# Altium PCB ALCT_MEZ_SPARTAN6T.PcbDoc (part 4 of 12)
Units mil, origin at the board's own origin, x right, y up, seen from the top; angles counter-clockwise.
Board outline 4100 x 5351.19 mil, 12 copper layers (Top Layer, Mid-Layer 1, +3V3, Mid-Layer 2, +1V2, Mid-Layer 4, +1V8, Mid-Layer 5, GND1, Mid-Layer 7, GND2, Bottom Layer), stack 64.7 mil thick; 320 components, 598 nets, 2316 pads, 1572 vias.
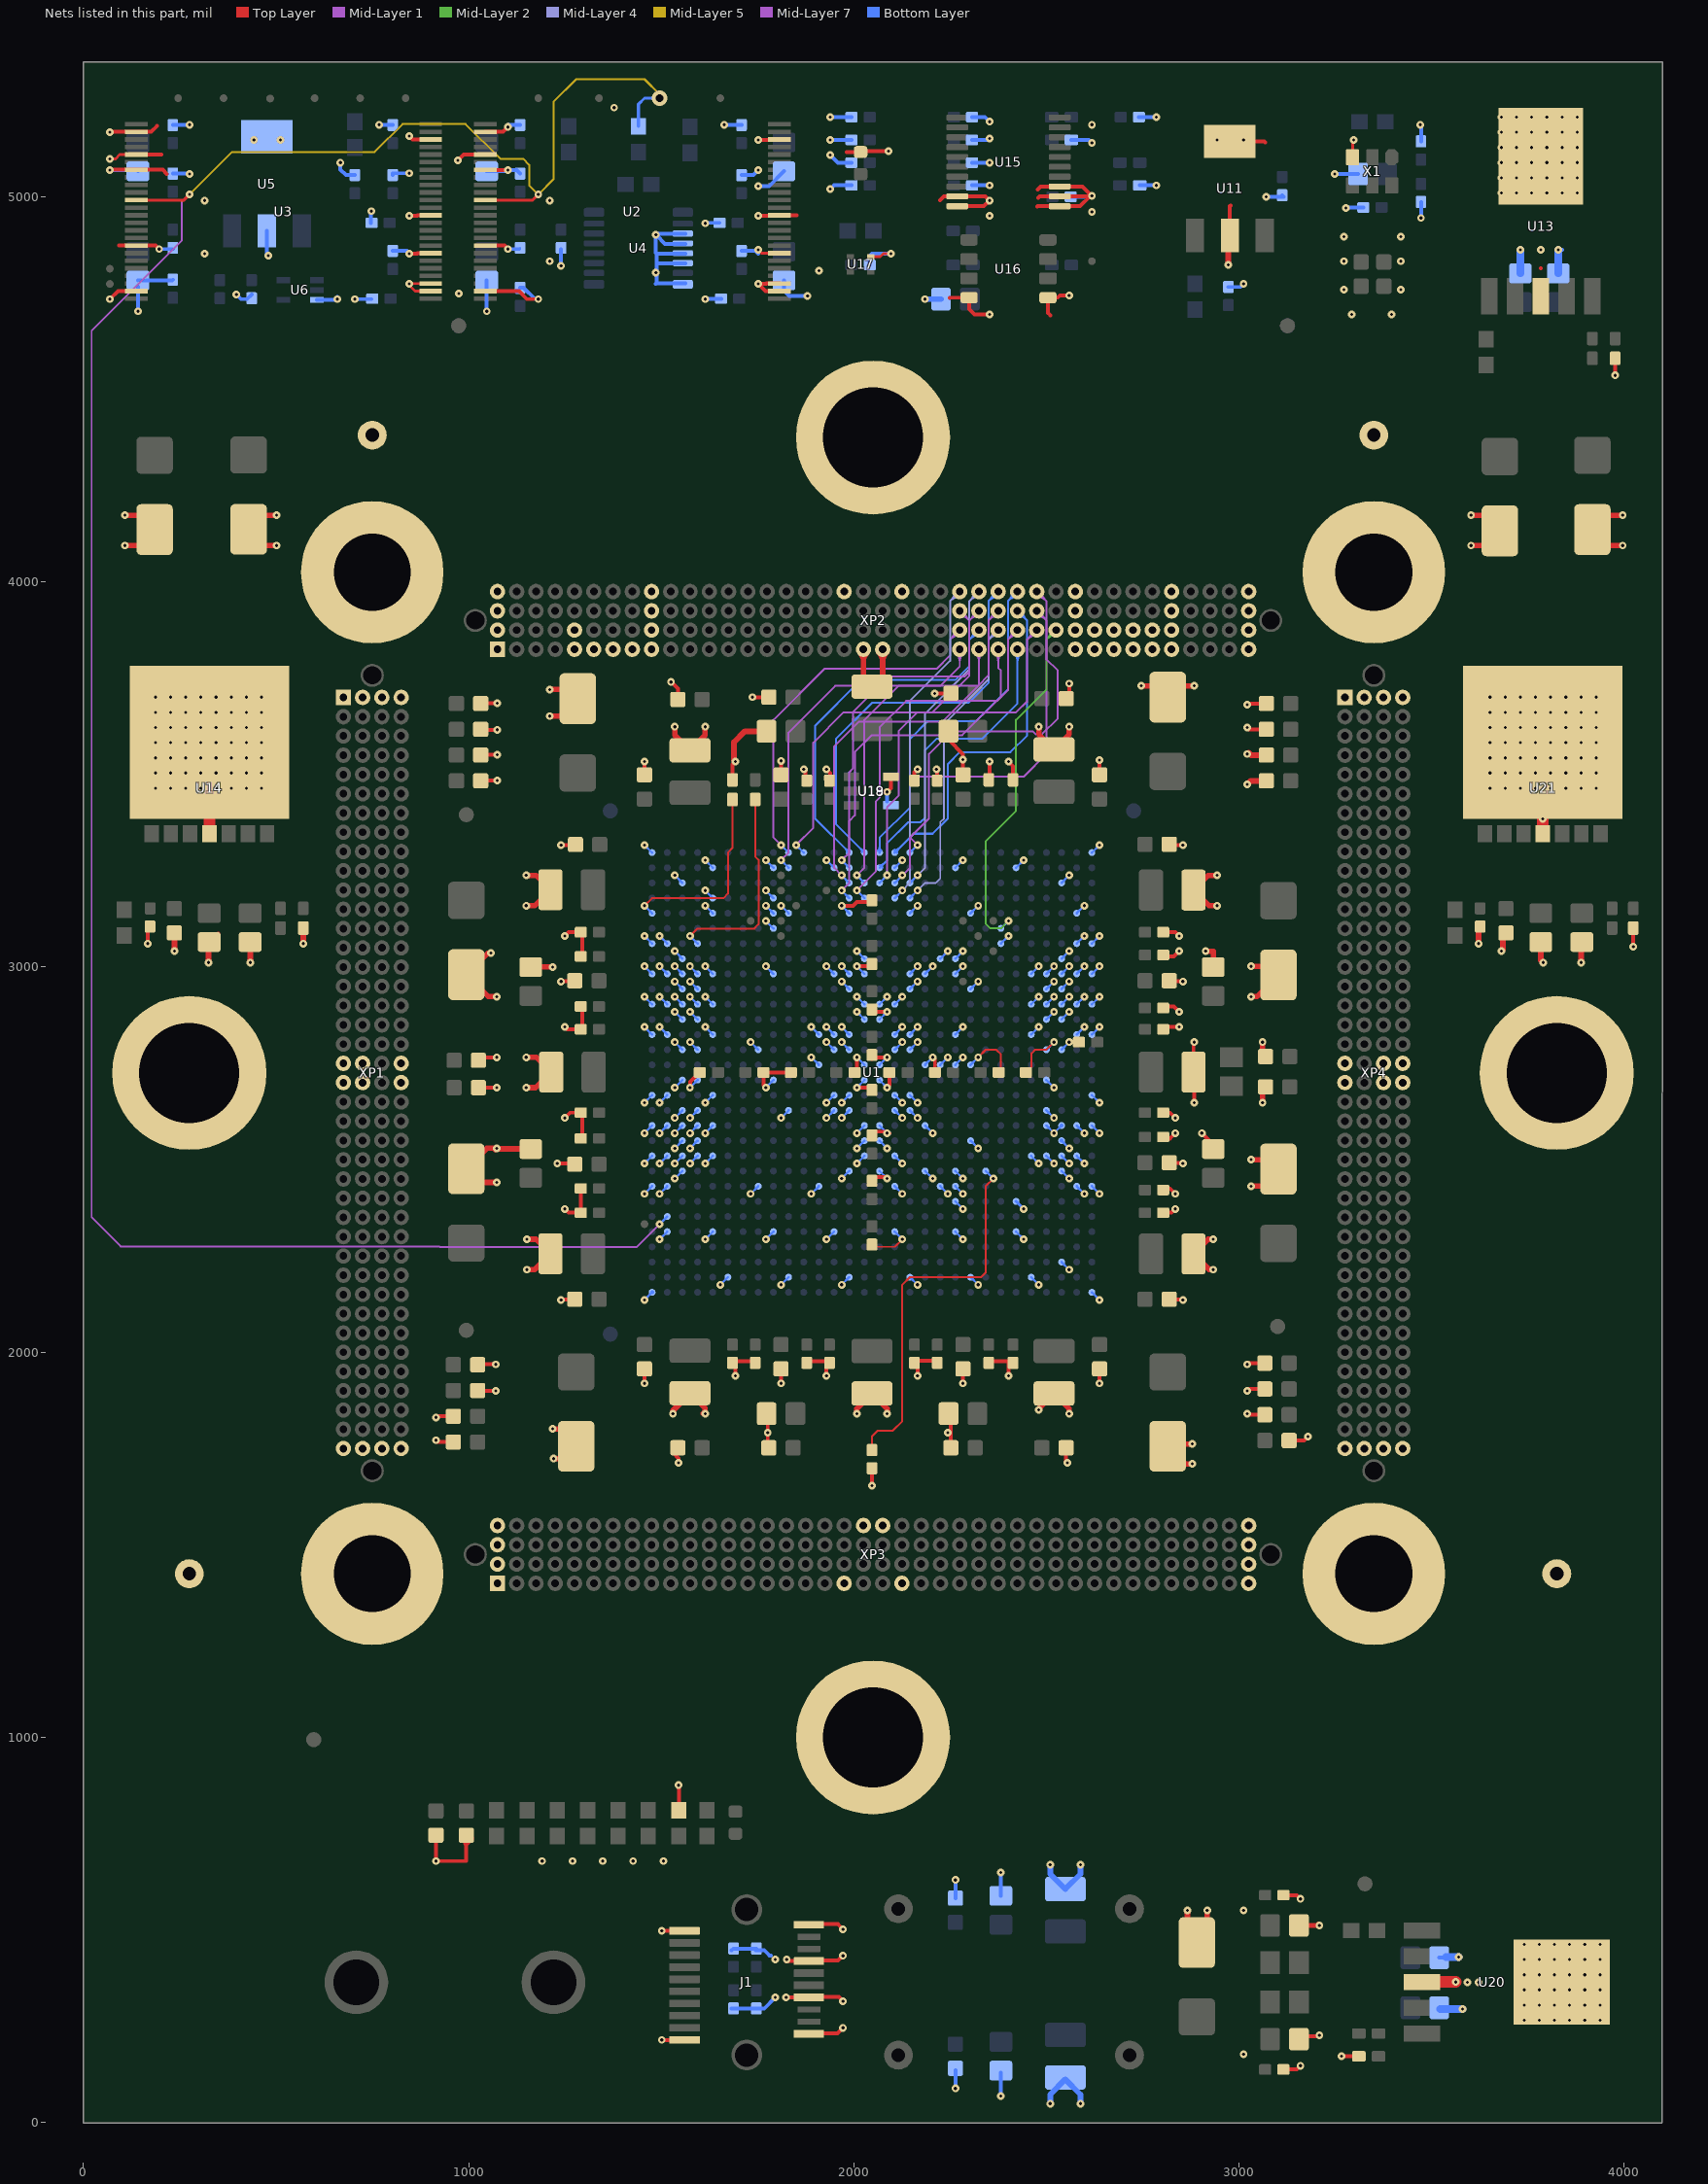
[diagram p14: the nets of this part, all layers, seen from the top]

## Via types
v1: diameter 20, hole 8, Top Layer to Bottom Layer, tented both sides, 1562 vias
v2: diameter 40, hole 20, Top Layer to Bottom Layer, 6 vias
v3: diameter 40, hole 20, Top Layer to Bottom Layer, tented both sides, 4 vias

## Nets (pads, with @x,y where several pads share a name; then routed paths per layer and width w, separated by ;. In a path a pad name is that pad's centre, name@x,y a point inside that pad or via, vN(x,y) a via of type N, cw(c..) or ccw(c..) an arc to the next point about the centre after c; other vN are vias at no path point) (continued)
GND: C1.2 C01.2 C2.1 C02.2 C03.2 C3.2 C04.2 C05.2 C11.2 C12.2 C13.2 C14.2 C15.2 C16.2 C17.2 C18.2 C19.2 C20.2 C21.2 C22.2 C23.2 C24.2 C25.2 C26.2 C27.2 C28.2 C29.2 C30.2 C32.2 C33.2 C34.2 C41.2 C42.2 C43.2 C44.2 C45.2 C46.2 C47.2 C48.2 C49.2 C50.2 C51.2 C61.2 C62.2 C63.2 C64.2 C65.2 C66.2 C67.2 C68.2 C69.2 C70.2 C71.2 C80.2 C81.2 C82.2 C83.2 C84.2 C90.2 C91.2 C92.2 C93.2 C100.2 C101.2 C102.2 C103.2 C104.2 C105.2 C106.2 C110.2 C111.2 C112.2 C113.2 C114.2 C115.2 C116.2 C120.2 C121.2 C122.2 C123.2 C124.2 C125.2 C126.2 C127.2 C128.2 C129.2 C130.2 C131.2 C132.2 C134.2 C135.2 C136.2 C137.2 C138.2 C139.2 C140.2 C141.2 C142.2 C143.2 C144.2 C201.2 C202.2 C203.2 C204.2 C211.2 C212.2 C213.2 C214.2 C221.2 C222.2 C223.2 C224.2 C231.2 C232.2 C233.2 C234.2 C241.2 C242.2 C243.2 C244.2 C251.2 C252.2 C253.2 C254.2 C261.2 C262.2 C263.2 C264.2 C265.2 C266.2 C267.2 C268.2 C271.2 C272.2 C273.2 C274.2 C275.2 C276.2 C281.2 C282.2 C283.2 C284.2 C285.2 C286.2 C301.2 C302.2 C311.2 C312.2 C321.2 C322.2 C331.2 C332.2 C341.2 C342.2 C351.2 C361.2 C362.2 C363.2 C364.2 C365.2 C371.2 C372.2 C373.2 C374.2 C375.2 C381.2 C382.2 C383.2 C401.2 C411.2 C421.2 C431.2 C441.2 C451.2 C461.2 C462.2 C471.2 C472.2 C481.2 C482.2 CT01.2 CT02.2 CT03.2 CT04.2 CT05.2 CT06.2 CT07.2 CT11.2 CT12.2 CT13.2 CT14.2 CT15.2 CT16.2 D1.K H1.1 H2.1 H3.1 H4.1 H12.1 H31.1 H34.1 H42.1 J1.1 J1.10 J1.11 J1.14 J1.17 J1.20 R03.2 R08.2 R12.2 R15.2 R21.2 R23.2 R37.2 R39.2 R40.2 R41.2 R42.1 R43.1 R101.1 TPG1.1 TPG2.1 TPG3.1 TPG4.1 U1.A1 U1.A8 U1.A12 U1.A14 U1.A18 U1.A20 U1.A22 U1.A24 U1.A30 U1.AA2 U1.AA13 U1.AA26 U1.AB5 U1.AB15 U1.AB22 U1.AB25 U1.AB26 U1.AB27 U1.AB29 U1.AC8 U1.AC17 U1.AE2 U1.AF5 U1.AF10 U1.AF12 U1.AF14 U1.AF18 U1.AF20 U1.AF22 U1.AF26 U1.AF27 U1.AF29 U1.AG10 U1.AG11 U1.AG12 U1.AG13 U1.AG15 U1.AG17 U1.AG19 U1.AG20 U1.AG21 U1.AG22 U1.AH9 U1.AH10 U1.AH11 U1.AH12 U1.AH13 U1.AH15 U1.AH17 U1.AH19 U1.AH20 U1.AH21 U1.AH22 U1.AH23 U1.AH28 U1.AJ5 U1.AJ8 U1.AJ10 U1.AJ12 U1.AJ14 U1.AJ18 U1.AJ20 U1.AJ22 U1.AJ24 U1.AK1 U1.AK8 U1.AK10 U1.AK12 U1.AK14 U1.AK18 U1.AK20 U1.AK22 U1.AK24 U1.AK30 U1.B8 U1.B10 U1.B12 U1.B18 U1.B20 U1.B22 U1.B24 U1.B26 U1.C3 U1.C9 U1.C10 U1.C11 U1.C12 U1.C17 U1.C19 U1.C20 U1.C21 U1.C22 U1.C23 U1.C28 U1.D10 U1.D12 U1.D13 U1.D15 U1.D17 U1.D19 U1.D20 U1.D21 U1.D22 U1.E2 U1.E10 U1.E18 U1.E20 U1.E22 U1.F5 U1.F7 U1.F29 U1.G24 U1.J2 U1.J11 U1.J16 U1.J21 U1.J26 U1.K5 U1.K7 U1.K8 U1.K9 U1.K16 U1.K18 U1.K22 U1.K23 U1.K29 U1.L8 U1.L16 U1.L23 U1.M9 U1.M12 U1.M16 U1.M22 U1.N2 U1.N13 U1.N14 U1.N17 U1.N18 U1.N21 U1.N22 U1.N26 U1.P5 U1.P8 U1.P10 U1.P13 U1.P14 U1.P17 U1.P18 U1.P20 U1.P29 U1.R9 U1.R11 U1.R12 U1.R15 U1.R16 U1.R19 U1.R20 U1.T10 U1.T11 U1.T12 U1.T15 U1.T16 U1.T19 U1.T20 U1.T22 U1.T23 U1.U2 U1.U9 U1.U13 U1.U14 U1.U17 U1.U18 U1.U21 U1.U22 U1.U26 U1.V5 U1.V13 U1.V14 U1.V17 U1.V18 U1.V22 U1.V29 U1.W8 U1.W16 U1.W18 U2.2 U2.5 U2.7 U2.17 U2.23 U2.26 U2.27 U2.31 U2.36 U2.46 U3.2 U3.5 U3.7 U3.17 U3.23 U3.26 U3.27 U3.31 U3.36 U3.46 U4.3 U4.4 U4.5 U4.6 U4.8 U5.1 U5.4 U6.3 U11.1 U11.4 U13.3 U13.6 U14.4 U14.8 U15.9 U15.10 U15.11 U15.12 U15.13 U16.4 U16.5 U17.3 U18.5 U19.5 U20.3 U20.6 U21.4 U21.8 X1.3 XP1.A1 XP1.A20 XP1.A21 XP1.A40 XP1.B1 XP1.B20 XP1.B21 XP1.B40 XP1.C1 XP1.C40 XP1.D1 XP1.D20 XP1.D21 XP1.D40 XP2.A1 XP2.A5 XP2.A6 XP2.A7 XP2.A8 XP2.A9 XP2.A20 XP2.A21 XP2.A31 XP2.A32 XP2.A33 XP2.A34 XP2.A35 XP2.A36 XP2.A40 XP2.B1 XP2.B5 XP2.B9 XP2.B31 XP2.B32 XP2.B33 XP2.B34 XP2.B35 XP2.B36 XP2.B40 XP2.C1 XP2.C9 XP2.C31 XP2.C36 XP2.C40 XP2.D1 XP2.D9 XP2.D19 XP2.D22 XP2.D31 XP2.D36 XP2.D40 XP3.A1 XP3.A19 XP3.A22 XP3.A40 XP3.B1 XP3.B40 XP3.C1 XP3.C40 XP3.D1 XP3.D20 XP3.D21 XP3.D40 XP4.A1 XP4.A20 XP4.A21 XP4.A40 XP4.B1 XP4.B40 XP4.C1 XP4.C20 XP4.C21 XP4.C40 XP4.D1 XP4.D20 XP4.D21 XP4.D40 | length 24092.6
  Top Layer w5: C242.2@2047.24,2279.53 2047.24,2273.79 2106.49,2273.79 v1(2125.99,2293.29) ; C211.2@2047.24,3173.23 C211.2@2047.24,3178.95 ; v1(2322.84,2765.75) 2342.53,2785.43 2370.1,2785.43 2381.89,2773.64 2381.89,2732.28 C232.2@2375.98,2726.38 ; C284.2@2446.85,2726.38 2460.44,2739.97 2461.44,2740.97 2461.44,2776.41 2470.47,2785.43 2500.02,2785.43 v1(2519.69,2805.11)
  Top Layer w7: v1(68.9,5098.43) 70.48,5098.43 83.46,5098.43 94.49,5109.45 U3.5@137.8,5109.45 ; U3.26@901.57,4755.12 861.02,4755.12 844.49,4771.65 842.52,4773.62 843.7,4774.8 846.46,4774.8 U3.27@901.57,4774.8 ; U17.3@2044.29,4844.49 2068.9,4844.49 2076.77,4852.36
  Top Layer w8: v1(1751.97,4862.2) 1760.63,4853.54 U2.31@1807.09,4853.54 ; 2076.77,4852.36 v1(2096.46,4852.36) ; X1.3@3294.88,5102.36 3294.88,5145.28 v1(3297.24,5147.64)
  Top Layer w10: v1(68.9,4734.25) 89.76,4755.12 U3.23@137.8,4755.12 ; v1(68.9,5098.43) v1@70.48,5098.43 ; v1(68.9,5167.32) 70.08,5168.5 U3.2@137.8,5168.5 176.38,5168.5 191.34,5183.46 ; v1@70.08,5070.08 U3.7@137.8,5070.08 206.3,5070.08 216.93,5059.45 ; 92.91,4873.23 U3.17@137.8,4873.23 187.8,4873.23 v1(196.85,4864.17) ; U3.5@137.8,5109.45 202.36,5109.45 ; CT11.2@143.7,4094.49 CT11.2@185.04,4135.83 CT11.2@147.64,4173.23 ; v1(167.32,3061.02) C15.2@167.32,3106.3 ; C14.2@228.35,3086.61 C14.2@236.22,3078.74 ; U14.8@314.17,3597.24 U14.8@316.54,3594.88 ; C13.2@324.8,3061.02 C13.2@350.39,3086.61 ; CT12.2@465.75,4173.23 CT12.2@429.13,4136.61 CT12.2@471.26,4094.49 ; v1(846.46,4852.36) 866.14,4852.36 867.32,4853.54 U3.31@901.57,4853.54 ; v1(846.46,4950.79) 866.14,4950.79 867.32,4951.97 U3.36@901.57,4951.97 ; v1(846.46,5157.48) 855.12,5148.82 U3.46@901.57,5148.82 ; C3.2@915.35,736.06 v1(915.35,678.98) 994.09,678.98 994.09,725.43 C2.1@994.09,736.06 ; v1(915.35,1771.65) 920.08,1766.93 C126.2@960.63,1766.93 ; v1(915.35,1830.71) 918.5,1833.86 C129.2@960.63,1833.86 ; v1(972.44,5094.49) 987.4,5109.45 U2.5@1043.31,5109.45 ; C125.2@1023.62,1900.79 1024.8,1899.61 v1(1070.87,1899.61) ; C122.2@1023.62,1967.72 1024.41,1968.5 v1(1070.87,1968.5) ; C121.2@1031.5,2687.8 1032.28,2687.01 v1(1072.83,2687.01) ; C124.2@1031.5,2758.66 1038.58,2765.75 v1(1072.83,2765.75) ; C123.2@1031.5,3483.46 1032.28,3484.25 v1(1074.8,3484.25) ; C120.2@1031.5,3550.39 1032.28,3551.18 v1(1074.8,3551.18) ; C139.2@1031.5,3617.32 1032.68,3616.14 v1(1074.8,3616.14) ; C142.2@1031.5,3684.25 1032.28,3685.04 v1(1074.8,3685.04) ; U2.23@1043.31,4755.12 1130.71,4755.12 1151.57,4734.25 v1(1181.1,4734.25) ; U2.17@1043.31,4873.23 1093.31,4873.23 v1(1102.36,4864.17) ; U2.7@1043.31,5068.91 1098.41,5068.91 v1(1102.36,5068.9) ; U2.2@1043.31,5168.5 1089.77,5168.5 v1(1102.36,5181.09) ; v1(1230.32,2490.16) 1272.83,2490.16 C362.2@1275.59,2487.4 ; v1(1240.16,2135.83) 1241.34,2137.01 C363.2@1279.53,2137.01 ; v1(1240.16,2962.6) 1241.34,2963.78 C374.2@1279.53,2963.78 ; v1(1240.16,3316.93) 1276.38,3316.93 C373.2@1277.56,3318.11 ; v1(1250,2372.05) 1259.84,2362.2 C266.2@1291.34,2362.2 C234.2@1291.34,2425.2 ; v1(1250,2608.27) 1263.78,2622.05 C201.2@1291.34,2622.05 1295.28,2622.05 C267.2@1295.28,2555.12 ; v1(1250,2844.49) 1255.91,2838.58 C275.2@1291.34,2838.58 1295.28,2838.58 C276.2@1295.28,2897.64 ; v1(1250,3080.71) 1259.84,3090.55 C213.2@1291.34,3090.55 1295.28,3090.55 C243.2@1295.28,3027.56 ; v1(1456.69,1919.29) C331.2@1456.69,1958.87 ; C311.2@1456.69,3499.21 v1(1456.69,3533.46) ; v1(1501.57,214.57) J1.10@1560.63,214.57 ; v1(1501.57,498.03) J1.1@1560.63,498.03 ; v1(1525.59,3740.16) 1543.31,3722.44 C02.2@1543.31,3694.88 C02.2@1535.43,3702.76 ; C12.2@1543.31,1751.97 1530.51,1739.17 1545.28,1724.41 v1(1545.28,1712.6) ; R101.1@1546.06,811.02 v1@1546.06,875.98 ; v1(1574.8,2687.01) v1@1574.8,2690.54 ; v1@1575.62,2687.01 1575.62,2701.6 C202.2@1600.39,2726.38 C202.2@1610.24,2726.38 ; R37.2@1685.04,3486.22 1685.04,3525.59 v1(1692.91,3533.46) ; v1(1692.91,1938.98) 1692.91,1976.38 C268.2@1748.03,1976.38 ; v1(1737.2,3700.79) C143.2@1779.53,3700.79 ; v1@1748.04,4950.79 U2.36@1807.07,4950.79 ; v1@1748.03,5147.64 U2.46@1807.07,5147.64 ; v1@1768.12,2690.53 1765.75,2692.91 C221.2@1765.75,2726.38 C252.2@1836.61,2726.38 ; C322.2@1773.62,1840.55 1776.57,1837.6 v1(1776.57,1791.34) 1776.57,1754.92 C127.2@1779.53,1751.97 ; U2.26@1807.09,4755.12 1807.09,4755.23 1770.36,4755.23 v1(1751.97,4773.62) 1771.65,4773.62 1772.83,4774.8 U2.27@1807.09,4774.8 ; U2.36@1807.09,4951.97 1851.97,4951.97 ; v1(1811.02,1919.29) C361.2@1811.02,1956.69 C361.2@1811.02,1958.87 ; C321.2@1811.02,3499.21 v1(1811.02,3535.43) ; v1@1822.84,324.8 v1(1824.41,324.8) J1.14@1883.46,324.8 ; v1@1824.41,419.29 J1.17@1883.46,419.29 ; v1(1870.08,3513.78) 1874.02,3509.84 C265.2@1874.02,3476.38 ; C224.2@1874.02,1976.38 1929.13,1976.38 v1(1929.13,1938.98) ; J1.11@1883.46,231.5 1957.48,231.5 v1(1972.05,246.06) ; J1.14@1883.46,325.98 1961.02,325.98 v1(1972.05,314.96) ; J1.17@1883.46,420.47 1959.45,420.47 v1(1972.05,433.07) ; J1.20@1883.46,514.96 1959.06,514.96 v1(1972.05,501.97) ; v1@1885.82,2765.75 v1(1889.78,2765.75) ; C27.2@1928.93,3478.35 1938.98,3488.39 1938.98,3503.94 v1(1929.13,3513.78) ; v1(1968.51,3159.45) 1998.03,3159.45 2007.87,3169.29 2043.31,3169.29 C211.2@2047.24,3173.23 ; 1981.5,5116.14 D1.K@2017.72,5116.14 ; v1(2007.88,2686.99) C273.2@2041.35,2686.99 ; v1(2007.88,2765.75) 2007.88,2730.31 C272.2@2011.81,2726.38 ; v1(2007.88,3001.96) 2043.31,3001.96 C222.2@2047.24,2998.03 ; D1.K@2017.72,5118.11 v1(2090.55,5118.11) ; v1(2047.24,1653.54) R41.2@2047.24,1698.82 ; C242.2@2047.24,2279.53 C242.2@2047.24,2289.37 ; C223.2@2047.24,2454.72 2082.68,2454.72 v1(2086.63,2450.78) ; C264.2@2047.24,2572.83 2082.69,2572.83 v1(2086.63,2568.89) v1@2092.91,2568.89 ; C273.2@2047.24,2681.1 C273.2@2041.35,2686.99 ; C273.2@2047.24,2690.94 2043.29,2686.99 C273.2@2041.35,2686.99 ; C271.2@2047.24,2761.81 2051.18,2765.75 v1(2086.63,2765.75) ; C263.2@2047.24,2879.92 2051.16,2883.84 v1(2086.62,2883.84) ; C274.2@2082.68,2728.35 C274.2@2086.63,2724.4 ; v1(2086.63,2686.99) v1@2086.63,2690.53 ; v1(2086.61,3454.72) 2096.46,3464.57 U18.5@2096.46,3494.09 ; v1@2090.16,2690.53 2092.52,2692.89 C274.2@2092.52,2726.38 ; C251.2@2157.48,3484.25 2157.48,3505.91 v1(2165.35,3513.78) ; v1(2165.35,1938.98) 2165.35,1978.35 2218.5,1978.35 C204.2@2220.47,1980.32 ; v1(2204.73,2765.75) 2210.63,2759.84 C212.2@2210.63,2726.38 ; v1(2209.65,3710.63) C140.2@2251.97,3710.63 C140.2@2253.94,3710.63 ; v1(2214.57,3513.78) 2216.54,3511.81 C261.2@2216.54,3484.25 ; C261.2@2220.47,3480.31 C261.2@2220.47,3484.25 ; 2223.62,4990.55 2234.06,5000.98 U15.9@2268.7,5000.98 2341.54,5000.98 v1@2346.71,4995.81 ; C332.2@2246.06,1840.55 2251.97,1834.65 C130.2@2251.97,1751.97 ; C375.2@2246.06,3612.2 2246.06,3590.55 2283.46,3553.15 v1(2283.46,3538.39) C371.2@2283.46,3499.21 ; 2248.82,4737.8 2249.02,4737.99 U16.4@2299.07,4737.99 2299.07,4708.8 2312.99,4694.88 v1(2352.36,4694.88) ; U15.10@2268.7,4975.39 2337.6,4975.39 v1(2352.36,4990.16) ; v1(2283.46,1919.29) C372.2@2283.46,1956.69 C372.2@2283.46,1958.87 ; v1@2346.46,4996.06 v1@2346.71,4995.81 ; C254.2@2350.39,1976.38 2401.57,1976.38 v1(2401.57,1938.98) ; R39.2@2350.39,3486.22 2352.36,3488.19 v1(2352.36,3533.46) ; v1(2401.57,3533.46) 2413.39,3521.65 R40.2@2413.39,3486.22 ; 2475.98,4974.02 2477.36,4975.39 U15.11@2534.45,4975.39 2587.6,4975.39 v1@2613.19,5000.98 ; 2477.95,5019.29 2485.24,5026.57 U15.13@2534.45,5026.57 2593.5,5026.57 2616.14,5003.94 v1@2613.19,5000.98 ; 2478.74,4997.24 2482.48,5000.98 U15.12@2534.45,5000.98 v1@2613.19,5000.98 ; 2509.84,4692.52 2504.07,4698.29 U16.5@2504.07,4737.99 2529.53,4737.99 2535.63,4744.09 v1(2559.06,4744.09) ; C11.2@2551.18,1751.97 2551.18,1715.55 v1(2554.13,1712.6) ; C01.2@2551.18,3696.85 2559.06,3704.72 v1(2559.06,3736.22) ; v1(2559.06,2805.11) C286.2@2584.65,2805.12 C286.2@2594.49,2805.12 ; v1(2637.8,1919.29) C341.2@2637.8,1958.87 ; C351.2@2637.8,3499.21 v1(2637.8,3537.4) ; C253.2@2799.21,2425.2 2820.87,2425.2 v1(2834.65,2411.42) ; C285.2@2799.21,2555.12 2820.87,2555.12 v1(2834.65,2568.9) ; C281.2@2799.21,2622.05 C281.2@2803.15,2622.05 2820.87,2622.05 v1(2834.65,2608.27) ; C282.2@2799.21,2844.49 v1(2844.49,2844.49) ; C283.2@2799.21,2897.64 2830.71,2897.64 v1(2844.49,2883.86) ; C214.2@2799.21,3090.55 C214.2@2803.15,3090.55 2834.65,3090.55 v1(2844.49,3080.71) ; C262.2@2803.15,2362.2 2824.8,2362.2 v1(2834.65,2372.05) ; C244.2@2803.15,3023.62 C244.2@2807.09,3027.56 ; C244.2@2803.15,3027.56 C244.2@2807.09,3027.56 ; C301.2@2815.93,2137.01 2853.15,2137.01 v1(2854.33,2135.83) ; C381.2@2815.93,2491.34 2853.15,2491.34 v1(2854.33,2490.16) ; C382.2@2815.93,2963.78 2853.15,2963.78 v1(2854.33,2962.6) ; C364.2@2815.93,3318.11 2817.11,3316.93 v1(2854.33,3316.93) ; v1(2844.49,3041.34) 2830.71,3027.56 C244.2@2807.09,3027.56 ; CT07.2@2866.14,491.69 CT07.2@2890.47,467.36 CT07.2@2917.32,494.21 ; v1(2883.86,2647.64) 2883.86,2725.59 C482.2@2881.89,2727.56 2881.89,2803.15 v1(2883.86,2805.12) ; v1(2903.54,2568.9) 2933.07,2539.37 C342.2@2933.07,2527.56 ; C383.2@2933.07,3000 C383.2@2933.07,3001.97 ; U11.1@2942.91,5143.7 U11.1@2976.38,5143.7 3011.81,5143.7 3065.35,5143.7 3068.11,5140.94 ; U11.4@2972.44,4895.67 U11.4@2976.38,4899.61 2976.38,4975.59 2977.95,4977.17 ; v1(3021.65,3474.4) v1@3021.65,3477.94 ; v1(3021.65,1840.55) 3024.41,1837.8 C131.2@3066.93,1837.8 ; v1(3021.65,1899.61) 3021.65,1900 3026.38,1904.72 C138.2@3066.93,1904.72 ; v1(3021.65,1968.5) 3024.8,1971.65 C135.2@3066.93,1971.65 ; v1(3021.65,3622.05) 3026.38,3617.32 C141.2@3070.87,3617.32 ; v1(3021.65,3681.1) 3024.8,3684.25 C144.2@3070.87,3684.25 ; C111.2@3115.14,137.8 3149.61,137.8 v1(3159.45,147.64) ; C101.2@3115.14,590.55 3149.61,590.55 v1(3159.45,580.71) ; C128.2@3129.92,1770.87 3168.5,1770.87 v1(3179.13,1781.5) ; C110.2@3157.48,224.41 3206.69,224.41 v1(3208.66,226.38) ; v1(3265.75,172.05) R03.2@3309.06,172.05 ; v1@3621.26,364.96 v1(3622.05,364.17) ; CT01.2@3636.61,4173.23 CT01.2@3677.17,4132.68 CT01.2@3638.98,4094.49 ; v1(3681.1,3041.34) v1@3685.04,3045.28 ; U21.8@3778.74,3597.24 U21.8@3781.1,3594.88 ; v1@3783.46,3017.72 v1(3789.37,3011.81) ; C20.2@3877.95,3049.21 C20.2@3891.73,3062.99 ; 3887.8,3037.8 3907.48,3057.48 C20.2@3906.69,3058.27 ; CT02.2@3954.72,4173.23 CT02.2@3917.32,4135.83 CT02.2@3958.66,4094.49 ; v1(3976.38,4536.22) R08.2@3976.38,4579.53 ; R15.2@4023.62,3098.43 v1(4023.62,3053.15) v1@4025.59,3051.18 ; v1@2346.71,4995.81 v1(2352.36,4990.16) ; v1@2346.71,4995.81 v1(2352.36,4990.16)
  Top Layer w12: C100.2@3155.51,511.81 3201.59,511.81 v1@3205.13,515.35
  Top Layer w14: v1(108.27,4094.49) CT11.2@143.7,4094.49 ; v1(108.27,4173.23) CT11.2@147.64,4173.23 ; CT12.2@465.75,4173.23 v1(501.97,4173.23) ; CT12.2@471.26,4094.49 v1(501.97,4094.49) ; v1(1058.07,3036.42) 1050.2,3036.42 1035.43,3021.65 CT05.2@994.09,2980.32 1051.18,2923.23 v1(1072.83,2923.23) ; v1@1069.3,2525.99 v1@1070.87,2527.56 ; v1(1072.83,2440.94) 1029.53,2440.94 CT03.2@994.09,2476.38 1047.24,2529.53 v1(1072.83,2529.53) ; v1(1149.61,2687.01) 1174.02,2687.01 C421.2@1214.57,2727.56 1176.38,2765.75 v1(1149.61,2765.75) ; v1(1149.61,3159.45) 1171.26,3159.45 C471.2@1212.6,3200.79 1175.2,3238.19 v1(1149.61,3238.19) ; v1(1151.57,2214.57) 1171.26,2214.57 C461.2@1212.6,2255.91 ; v1(1151.57,2293.31) 1175.2,2293.31 C461.2@1212.6,2255.91 ; C302.2@1161.42,3000 v1(1218.5,3000) v1@1220.47,3001.97 ; v1(1210.63,3651.57) 1238.19,3651.57 1281.1,3694.49 CT14.2@1283.46,3696.85 1250,3730.32 1240.16,3720.47 v1(1210.63,3720.47) ; C461.2@1213.19,2256.5 C461.2@1212.6,2255.91 ; C471.2@1213.19,3201.38 1214.57,3200 C471.2@1213.98,3199.41 ; v1@1218.5,1801.18 1245.28,1801.18 1283.46,1762.99 1244.27,1723.8 v1(1220.47,1723.8) ; v1(1530.51,1840.55) 1530.51,1848.62 C431.2@1574.8,1892.91 ; v1(1535.43,3624.02) 1535.43,3602.36 C411.2@1574.8,3562.99 1614.17,3602.36 v1(1614.17,3624.02) ; C431.2@1574.8,1893.7 1614.17,1854.33 v1(1614.17,1840.55) v1@1609.17,1840.55 ; v1(2007.87,1840.55) 2007.87,1853.54 C472.2@2047.24,1892.91 2086.61,1853.54 v1(2086.61,1840.55) ; XP2.A20@2015.81,3815.81 cw(c1993.62,3793.62) 2025,3793.62 cw(c2056.38,3793.62) XP2.A20@2034.19,3815.81 ; XP2.A20@2025,3825 2025,3750.59 C462.2@2047.24,3728.35 2075,3756.1 XP2.A21@2075,3825 ; XP2.A21@2065.81,3815.81 cw(c2043.62,3793.62) 2075,3793.62 cw(c2106.38,3793.62) XP2.A21@2084.19,3815.81 ; v1(2480.32,1850.39) 2480.32,1853.54 C441.2@2519.69,1892.91 2559.06,1853.54 v1(2559.06,1840.55) ; v1(2480.31,3624.02) 2480.31,3604.54 C451.2@2519.69,3565.17 2559.06,3604.54 v1(2559.06,3624.02) ; v1(2746.06,3730.32) 2785.43,3730.32 CT04.2@2814.96,3700.79 2844.49,3730.32 v1(2883.86,3730.32) ; CT13.2@2814.96,1755.91 2860.73,1710.14 v1(2878.94,1710.14) ; CT13.2@2829.53,1761.81 v1(2878.94,1761.81) ; CT07.2@2866.14,491.69 v1(2866.14,551.18) ; v1(2913.39,3041.34) 2933.07,3041.34 C383.2@2933.07,3001.97 ; CT07.2@2917.32,494.21 v1(2917.32,551.18) ; v1(2933.07,2214.57) 2922.44,2214.57 C401.2@2881.89,2255.12 2920.08,2293.31 v1(2933.07,2293.31) ; v1(2942.91,3159.45) 2922.44,3159.45 C481.2@2881.89,3200 2920.08,3238.19 v1(2942.91,3238.19) ; v1(3031.5,2431.1) 3057.87,2431.1 CT06.2@3102.36,2475.59 3077.95,2500 v1(3031.5,2500) ; v1(3031.5,2923.23) 3046.06,2923.23 CT16.2@3102.36,2979.53 3079.92,3001.97 v1(3031.5,3001.97) ; v1(3602.36,4094.49) CT01.2@3638.98,4094.49 ; v1(3602.36,4173.23) CT01.2@3636.61,4173.23 ; CT02.2@3954.72,4173.23 v1(3996.06,4173.23) ; CT02.2@3958.66,4094.49 v1(3996.06,4094.49)
  Top Layer w15: v1(236.22,3041.34) C14.2@236.22,3078.74 ; v1(324.8,3011.81) C13.2@324.8,3061.02 ; v1(433.07,3011.81) C16.2@433.07,3064.96 ; v1(570.87,3061.02) R12.2@570.87,3100.39 ; 994.09,725.43 C2.1@1006.69,738.03 ; v1@1070.87,2527.56 C312.2@1161.42,2527.56 ; v1@1689.38,3537 1689.38,3584.06 1717.52,3612.2 C365.2@1773.62,3612.2 ; v1(2972.44,4822.83) U11.4@2972.44,4895.67 ; v1(3021.65,3474.4) 3030.71,3483.46 C136.2@3070.87,3483.46 ; v1@3025.19,3556.69 3031.48,3550.39 C132.2@3070.87,3550.39 ; v1(3061.02,2647.64) 3061.02,2681.1 C137.2@3068.9,2688.98 ; v1(3061.02,2805.12) 3061.02,2775.59 C134.2@3068.9,2767.72 ; v1(3622.05,3061.02) C19.2@3622.05,3104.33 ; v1@3685.04,3045.28 C18.2@3685.04,3084.65 ; v1@3783.46,3017.72 C17.2@3783.46,3064.96 ; v1(3887.8,3011.81) 3887.8,3037.8
  Top Layer w30: U14.4@327.17,3346.46 327.17,3543.31 327.17,3582.68 U14.8@327.17,3583.86 ; U20.3@3474.41,364.96 v1(3562.99,364.96) ; U21.4@3788.58,3346.46 3788.58,3503.94 3788.58,3582.68 U21.8@3788.58,3583.86
  Bottom Layer w5: C68.2@1130.71,4864.17 C68.2@1133.86,4867.32 ; U19.5@2086.61,3430.12 U19.5@2087.97,3428.76
  Bottom Layer w6: v1(1456.71,2135.83) U1.AK1@1476.38,2155.51 ; v1(1456.71,2411.41) U1.AK8@1476.38,2431.1 ; v1(1456.71,2490.15) U1.AK10@1476.38,2509.84 ; v1(1456.71,2568.89) U1.AK12@1476.38,2588.58 ; v1(1456.71,2647.63) U1.AK14@1476.39,2667.31 ; v1(1456.71,2844.48) U1.AK18@1476.38,2824.8 ; v1(1456.72,2923.19) U1.AK20@1476.39,2903.51 ; v1(1456.69,3001.97) U1.AK22@1476.38,2982.28 ; v1(1456.71,3080.7) U1.AK24@1476.38,3061.02 ; v1(1456.71,3316.91) U1.AK30@1476.38,3297.24 ; v1(1496.08,2293.29) U1.AJ5@1515.75,2312.99 ; v1(1496.08,2411.41) U1.AJ8@1515.75,2431.1 ; v1(1496.08,2490.14) U1.AJ10@1515.75,2509.84 ; v1(1496.08,2568.89) U1.AJ12@1515.75,2588.58 ; v1(1496.1,2647.63) U1.AJ14@1515.76,2667.31 ; v1@1496.07,2844.49 U1.AJ18@1515.75,2824.8 ; v1(1496.08,2923.19) U1.AJ20@1515.76,2903.51 ; v1(1496.08,3001.96) U1.AJ22@1515.75,2982.28 ; v1(1496.08,3080.7) U1.AJ24@1515.75,3061.02 ; v1(1535.44,2450.78) U1.AH9@1555.12,2470.47 ; v1(1535.44,2529.53) U1.AH11@1555.12,2549.21 ; v1(1535.46,2568.88) U1.AH12@1555.12,2588.58 ; v1(1535.44,2608.26) U1.AH13@1555.12,2627.95 ; v1(1535.44,2686.99) U1.AH15@1555.12,2706.69 ; v1(1535.44,2805.11) U1.AH17@1555.12,2785.43 ; v1(1535.43,2923.23) U1.AH20@1555.12,2903.54 ; v1(1535.44,2962.6) U1.AH21@1555.12,2942.91 ; v1(1535.44,3001.97) U1.AH22@1555.12,2982.28 ; v1(1535.44,3041.33) U1.AH23@1555.12,3021.65 ; v1(1535.45,2490.14) U1.AH10@1555.12,2509.84 ; v1(1535.46,2568.88) U1.AH12@1555.12,2588.58 ; v1(1535.45,2883.84) U1.AH19@1555.12,2864.17 ; v1(1535.45,3238.19) U1.AH28@1555.12,3218.5 ; v1(1574.82,2490.14) U1.AG10@1594.49,2509.84 ; v1(1574.81,2529.53) U1.AG11@1594.49,2549.21 ; v1(1574.82,2568.88) U1.AG12@1594.49,2588.58 ; v1(1574.81,2608.26) U1.AG13@1594.49,2627.95 ; v1(1574.8,2687.01) U1.AG15@1594.49,2706.69 ; v1(1574.81,2805.11) U1.AG17@1594.49,2785.43 ; v1(1574.82,2883.84) U1.AG19@1594.49,2864.17 ; v1@1574.8,2923.2 U1.AG20@1594.49,2903.51 ; v1(1574.81,2962.6) U1.AG21@1594.49,2942.91 ; v1(1574.8,3001.97) U1.AG22@1594.49,2982.28 ; v1(1614.18,2293.29) U1.AF5@1633.86,2312.99 ; v1(1614.18,2490.14) U1.AF10@1633.86,2509.84 ; v1(1614.18,2568.89) U1.AF12@1633.86,2588.58 ; v1(1614.18,2647.63) U1.AF14@1633.86,2667.31 ; v1(1614.18,2844.48) U1.AF18@1633.86,2824.8 ; v1(1614.18,2923.19) U1.AF20@1633.86,2903.51 ; v1(1614.18,3001.96) U1.AF22@1633.86,2982.28 ; v1(1614.18,3159.45) U1.AF26@1633.86,3139.76 ; v1(1614.18,3198.81) U1.AF27@1633.86,3179.13 ; v1(1614.18,3277.54) U1.AF29@1633.86,3257.87 ; v1(1653.56,2175.19) U1.AE2@1673.23,2194.88 ; v1(1732.29,2411.41) U1.AC8@1751.98,2431.09 ; v1(1732.29,2805.11) U1.AC17@1751.98,2785.43 ; v1(1771.66,2293.29) U1.AB5@1791.34,2312.99 ; v1(1771.66,2686.99) U1.AB15@1791.34,2706.69 ; v1(1771.66,3001.96) U1.AB22@1791.34,2982.28 ; v1(1771.66,3120.06) U1.AB25@1791.34,3100.39 ; v1(1771.66,3159.45) U1.AB26@1791.34,3139.76 ; v1(1771.66,3198.81) U1.AB27@1791.34,3179.13 ; v1(1771.67,3277.54) U1.AB29@1791.34,3257.87 ; v1(1811.03,2175.19) U1.AA2@1830.71,2194.88 ; v1(1811.03,2608.26) U1.AA13@1830.71,2627.95 ; v1(1811.03,3159.45) U1.AA26@1830.71,3139.76 ; v1(1889.78,2411.41) U1.W8@1909.45,2431.1 ; v1(1889.78,2765.75) U1.W16@1909.45,2746.06 ; v1(1889.78,2844.48) U1.W18@1909.45,2824.8 ; v1(1929.14,2293.29) U1.V5@1948.82,2312.99 ; v1(1929.14,2608.26) U1.V13@1948.82,2627.95 ; v1(1929.14,2647.63) U1.V14@1948.83,2667.31 ; v1(1929.14,2805.11) U1.V17@1948.82,2785.43 ; v1(1929.14,2844.48) U1.V18@1948.82,2824.8 ; v1(1929.14,3001.96) U1.V22@1948.82,2982.28 ; v1(1929.15,3277.54) U1.V29@1948.82,3257.87 ; v1(1968.51,2175.19) U1.U2@1988.19,2194.88 ; v1(1968.51,2450.78) U1.U9@1988.19,2470.47 ; v1(1968.51,2608.26) U1.U13@1988.19,2627.95 ; v1(1968.51,2647.63) U1.U14@1988.19,2667.31 ; v1(1968.51,2805.11) U1.U17@1988.19,2785.43 ; v1(1968.51,2844.48) U1.U18@1988.19,2824.8 ; v1(1968.51,2962.6) U1.U21@1988.19,2942.91 ; v1(1968.51,3001.96) U1.U22@1988.19,2982.28 ; v1(1968.51,3159.45) U1.U26@1988.19,3139.76 ; v1(2007.88,2490.14) U1.T10@2027.56,2509.84 ; v1(2007.88,2529.53) U1.T11@2027.56,2549.21 ; v1(2007.88,2568.89) U1.T12@2027.56,2588.58 ; v1(2007.88,2686.99) U1.T15@2027.56,2706.69 ; v1(2007.88,2765.75) U1.T16@2027.56,2746.06 ; v1(2007.88,2883.84) U1.T19@2027.56,2864.17 ; v1(2007.88,2923.19) U1.T20@2027.56,2903.51 ; v1(2007.88,3001.96) U1.T22@2027.56,2982.28 ; v1(2007.88,3041.33) U1.T23@2027.56,3021.65 ; U1.R9@2066.93,2470.47 v1(2086.63,2450.78) ; U1.R11@2066.93,2549.21 v1(2086.63,2529.53) ; U1.R12@2066.93,2588.58 v1(2086.63,2568.89) ; U1.R15@2066.93,2706.69 v1(2086.63,2686.99) ; U1.R16@2066.93,2746.06 v1(2086.63,2765.75) ; U1.R19@2066.93,2864.17 v1(2086.62,2883.84) ; U1.R20@2066.94,2903.51 v1(2086.62,2923.19) ; U1.P5@2106.3,2312.99 v1(2125.99,2293.29) ; U1.P8@2106.3,2431.1 v1(2125.99,2411.41) ; U1.P10@2106.3,2509.84 v1(2125.99,2490.14) ; U1.P13@2106.3,2627.95 v1(2125.99,2608.26) ; U1.P14@2106.31,2667.31 v1(2125.99,2647.63) ; U1.P17@2106.3,2785.43 v1(2125.99,2805.11) ; U1.P18@2106.3,2824.8 v1(2125.99,2844.48) ; U1.P20@2106.31,2903.51 v1(2125.99,2923.19) ; U1.P29@2106.3,3257.87 v1(2125.99,3277.54) ; U1.N2@2145.68,2194.88 v1(2165.36,2175.19) ; U1.N13@2145.68,2627.94 v1(2165.36,2608.26) ; U1.N14@2145.68,2667.31 v1(2165.36,2647.63) ; U1.N17@2145.68,2785.43 v1(2165.36,2805.11) ; U1.N18@2145.68,2824.79 v1(2165.36,2844.48) ; U1.N21@2145.68,2942.91 v1(2165.36,2962.6) ; U1.N22@2145.68,2982.28 v1(2165.36,3001.96) ; U1.N26@2145.68,3139.76 v1(2165.36,3159.45) ; U1.M9@2185.04,2470.47 v1(2204.73,2450.78) ; U1.M12@2185.04,2588.58 v1(2204.73,2568.89) ; U1.M16@2185.04,2746.06 v1(2204.73,2765.75) ; U1.M22@2185.04,2982.28 v1(2204.73,3001.96) ; U1.L8@2224.41,2431.1 v1(2244.09,2411.41) ; U1.L16@2224.41,2746.06 v1(2244.09,2765.75) ; U1.L23@2224.41,3021.65 v1(2244.09,3041.33) ; U1.K5@2263.78,2312.99 v1(2283.48,2293.29) ; U1.K7@2263.78,2391.73 v1(2283.48,2372.04) ; U1.K8@2263.78,2431.1 v1(2283.48,2411.41) ; U1.K9@2263.78,2470.47 v1(2283.48,2450.78) ; U1.K16@2263.78,2746.06 v1(2283.48,2765.75) ; U1.K18@2263.78,2824.8 v1(2283.48,2844.48) ; U1.K22@2263.78,2982.28 v1(2283.48,3001.96) ; U1.K23@2263.78,3021.65 v1(2283.48,3041.33) ; U1.K29@2263.78,3257.87 v1(2283.47,3277.54) ; U1.J2@2303.15,2194.88 v1(2322.84,2175.19) ; U1.J11@2303.15,2549.21 v1(2322.84,2529.53) ; U1.J16@2303.15,2746.06 v1(2322.84,2765.75) ; U1.J21@2303.15,2942.91 v1(2322.84,2962.6) ; U1.J26@2303.15,3139.76 v1(2322.84,3159.45) ; U1.G24@2381.89,3061.01 v1(2401.58,3080.7) ; U1.F5@2421.26,2312.99 v1(2440.94,2293.29) ; U1.F29@2421.26,3257.87 v1(2440.94,3277.54) ; U1.E2@2460.63,2194.88 v1(2480.33,2175.19) ; U1.E10@2460.63,2509.84 v1(2480.33,2490.14) ; U1.E18@2460.63,2824.8 v1(2480.33,2844.48) ; U1.E20@2460.64,2903.51 v1(2480.32,2923.19) ; U1.E22@2460.63,2982.28 v1(2480.33,3001.96) ; U1.D10@2500,2509.84 v1(2519.68,2490.16) ; U1.D12@2500,2588.58 v1(2519.7,2568.88) ; U1.D13@2500,2627.95 v1(2519.69,2608.26) ; U1.D15@2500,2706.69 v1(2519.69,2686.99) ; U1.D17@2500,2785.43 v1(2519.69,2805.11) ; U1.D19@2500,2864.17 v1(2519.69,2883.84) ; U1.D20@2500.01,2903.51 v1(2519.7,2923.22) ; U1.D21@2500,2942.91 v1(2519.69,2962.6) ; U1.D22@2500,2982.28 v1(2519.7,3001.96) ; v1@2519.7,2573.88 2524.67,2573.88 U1.C12@2539.37,2588.58 ; U1.C3@2539.38,2234.24 v1(2559.06,2214.56) ; U1.C9@2539.38,2470.46 v1(2559.06,2450.78) ; U1.C10@2539.37,2509.84 v1(2559.06,2490.16) ; U1.C11@2539.37,2549.21 v1(2559.06,2529.53) ; U1.C17@2539.38,2785.43 v1(2559.06,2805.11) ; U1.C19@2539.38,2864.16 v1(2559.05,2883.84) ; U1.C20@2539.38,2903.51 v1(2559.07,2923.18) ; U1.C21@2539.38,2942.91 v1(2559.06,2962.6) ; U1.C22@2539.38,2982.28 v1(2559.07,3001.96) ; U1.C23@2539.38,3021.64 v1(2559.06,3041.33) ; U1.C28@2539.38,3218.51 v1(2559.05,3238.19) ; U1.B8@2578.74,2431.1 v1(2598.43,2411.41) ; U1.B10@2578.74,2509.84 v1(2598.43,2490.16) ; U1.B12@2578.74,2588.58 v1(2598.43,2568.89) ; U1.B18@2578.74,2824.8 v1(2598.43,2844.48) ; U1.B20@2578.74,2903.51 v1(2598.42,2923.19) ; U1.B22@2578.74,2982.28 v1(2598.43,3001.96) ; U1.B24@2578.74,3061.01 v1(2598.43,3080.7) ; U1.B26@2578.74,3139.76 v1(2598.43,3159.45) ; U1.A1@2618.11,2155.51 v1(2637.79,2135.83) ; U1.A8@2618.11,2431.1 v1(2637.79,2411.41) ; U1.A12@2618.11,2588.58 v1(2637.79,2568.89) ; U1.A14@2618.11,2667.31 v1(2637.79,2647.63) ; U1.A18@2618.11,2824.8 v1(2637.79,2844.48) ; U1.A20@2618.11,2903.51 v1(2637.79,2923.19) ; U1.A22@2618.11,2982.28 v1(2637.8,3001.96) ; U1.A24@2618.11,3061.01 v1(2637.79,3080.7) ; U1.A30@2618.11,3297.24 v1(2637.79,3316.91)